# KiCad board plinkyblack_hwmidi.kicad_pcb (continued)
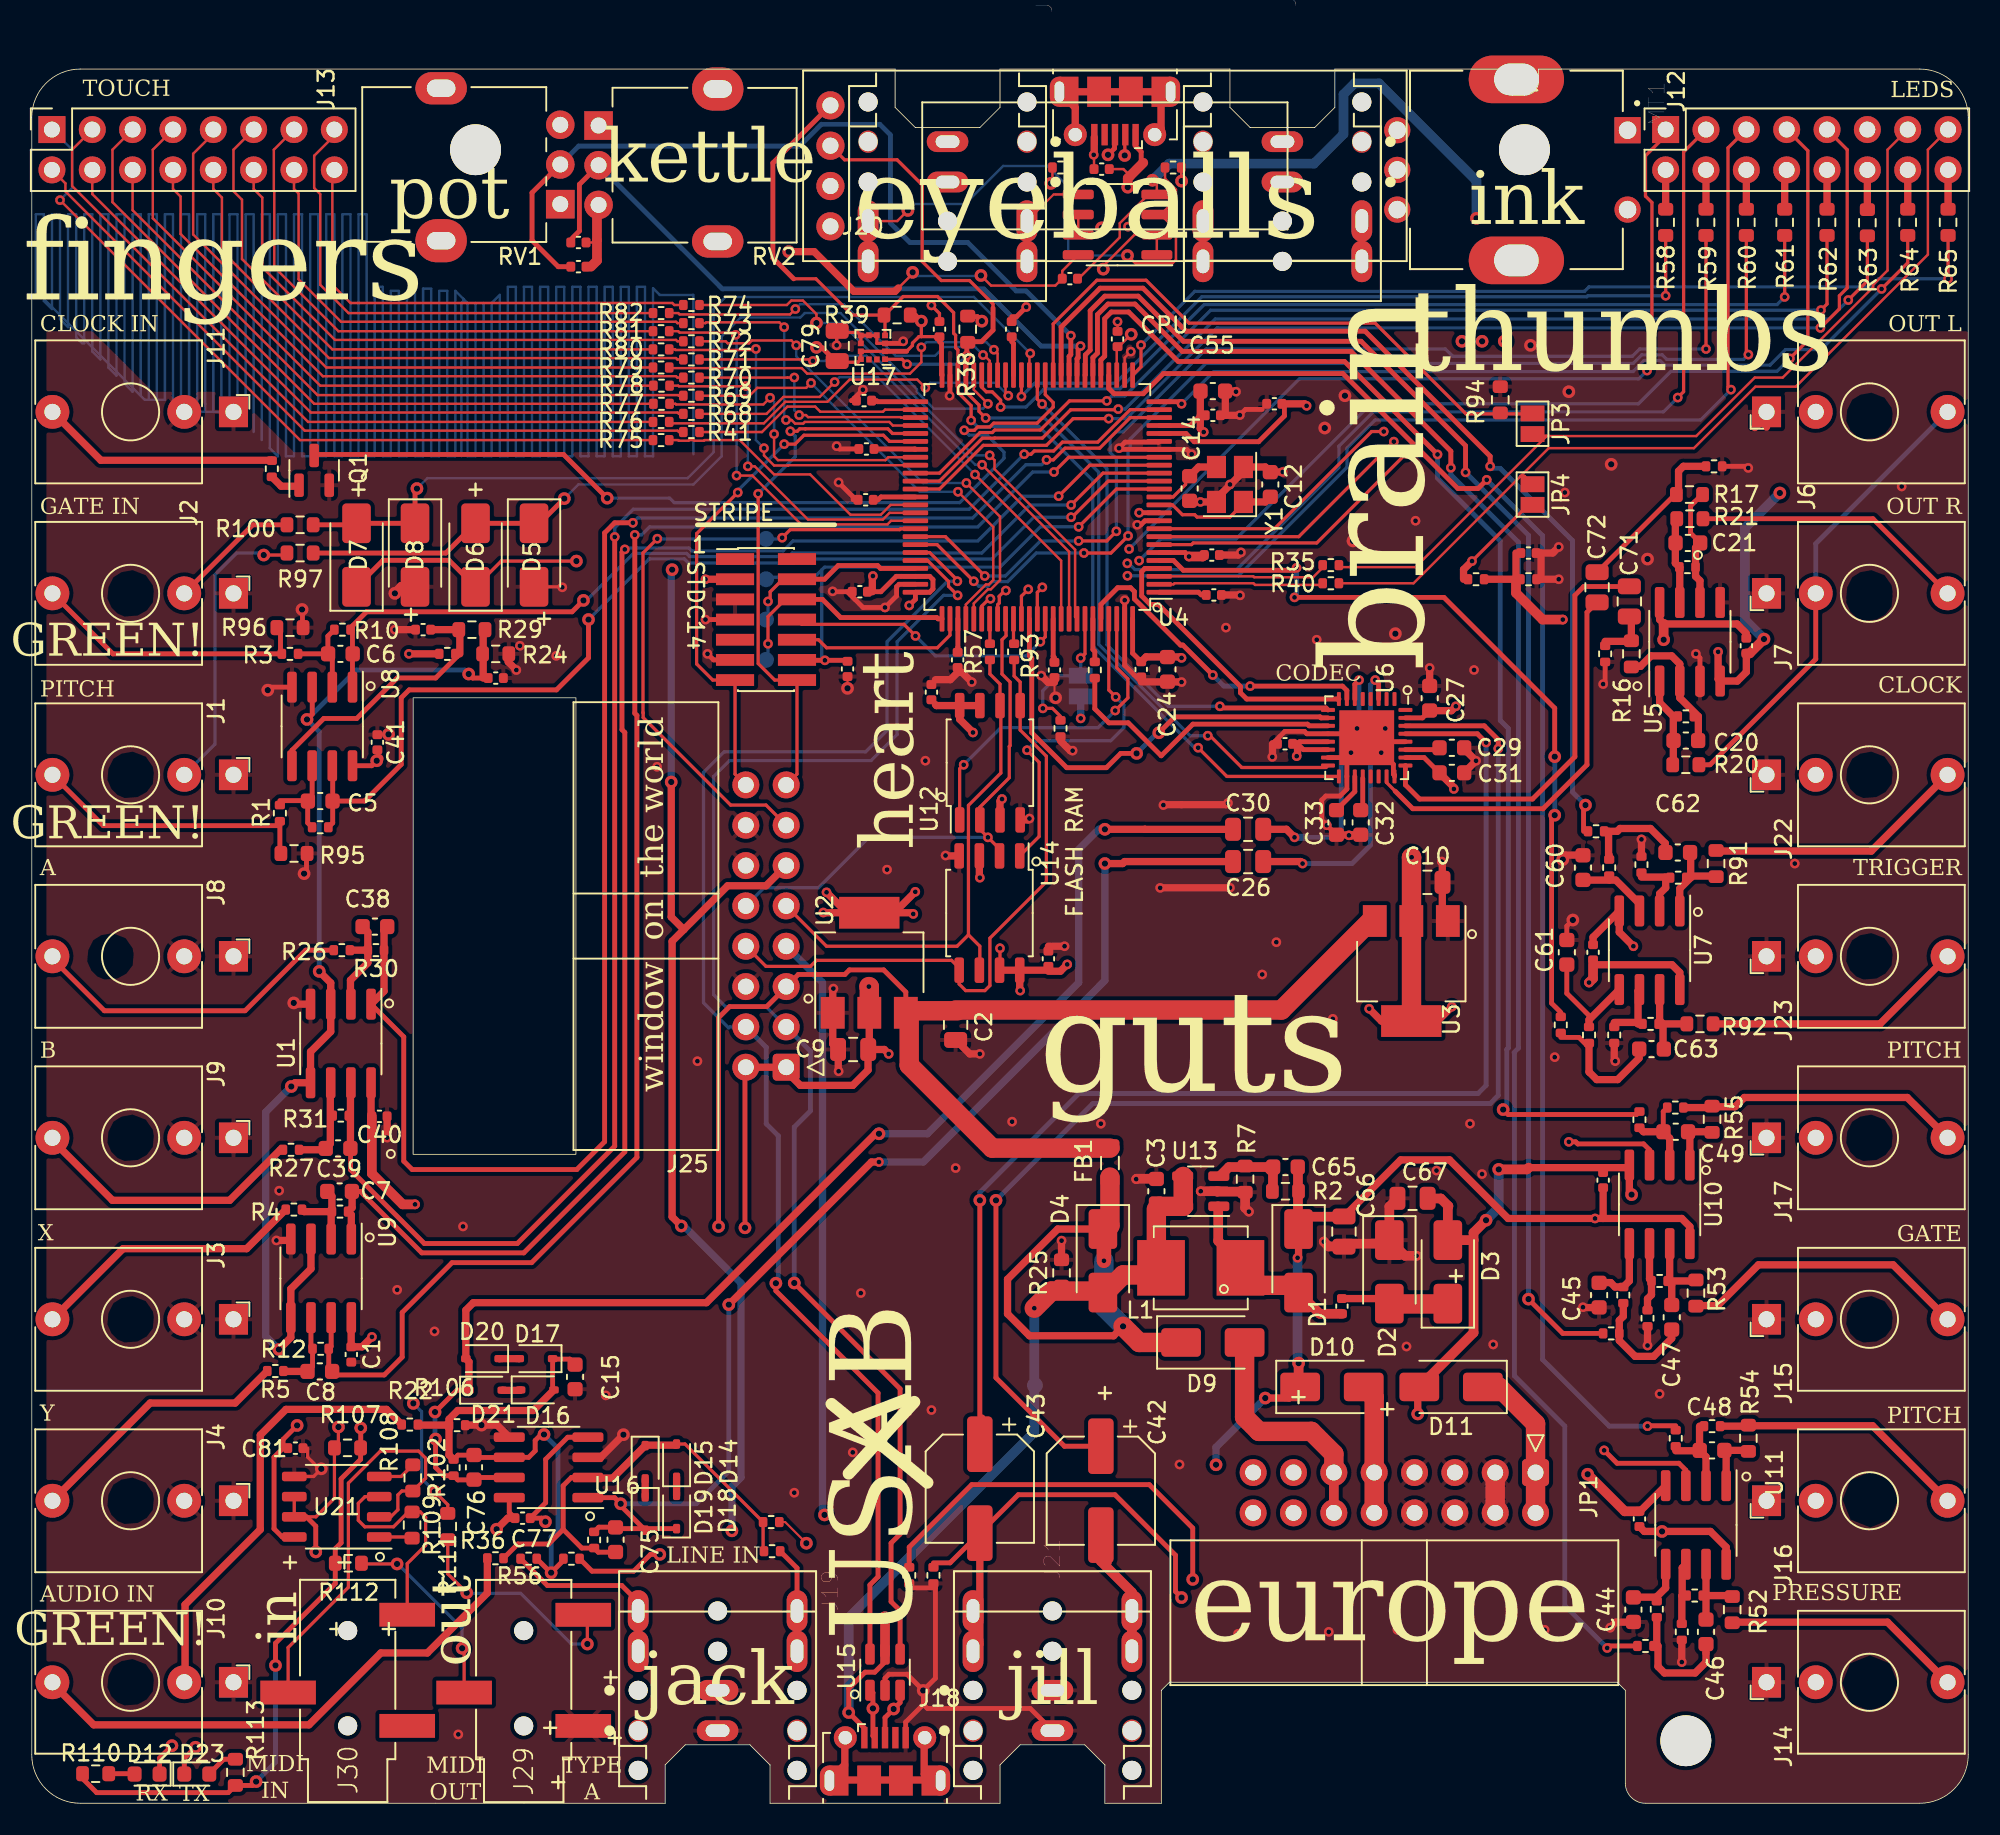
[diagram p0: board, top side]
## Library data of the parts
C1 C11 C16 C18 C19 C22 C23 C25 C28 C40 C41 C50 C51 C53 C64 C73 C74 C77 C78 = -: Description: Unpolarized capacitor; LCSC: C14663
C2 C9 C10 C26 C30 C66 C67 C71 C72 C79 = -: Description: Unpolarized capacitor; LCSC: C15850
C3 C24 C27 C29 C31-C33 = -: Description: Unpolarized capacitor; LCSC: C19666
C4 = -: Description: Unpolarized capacitor; LCSC: C15849
C5-C8 C38 C39 C44-C49 C60-C63 = -: Description: Unpolarized capacitor; LCSC: C53987
C12 C14 C15 C65 = -: Description: Unpolarized capacitor; LCSC: C1647
C17 C35-C37 C52 C56-C59 C68-C70 = -: Description: Unpolarized capacitor, small symbol; LCSC: C14663
C20 C21 C75 C76 = -: Description: Unpolarized capacitor; LCSC: C1603
C34 C54 = -: Description: Unpolarized capacitor, small symbol; LCSC: C15849
C42 C43 = -: LCSC: C250009
C55 = -: Description: Unpolarized capacitor, small symbol; LCSC: C57112
C81 = -: LCSC: C14663
D1-D11 = -: Description: Schottky diode; LCSC: C8678
D12 = -: Description: Light emitting diode; LCSC: C2286
D14-D21 = -: Description: 75V 0.15A Fast switching Diode, SOD-323; LCSC: C2128
D23 = -: Description: Light emitting diode; LCSC: C72041
FB1 = -: LCSC: C1017
H1 H2 H4 = -: Description: Mounting Hole without connection
J5 = -: Description: Generic connector, double row, 02x07, odd/even pin numbering scheme (row 1 odd numbers, row 2 even numbers), script generated (kicad-library-utils/schlib/autogen/connector/)
J12 J13 JP1 = -: Description: Generic connector, double row, 02x08, odd/even pin numbering scheme (row 1 odd numbers, row 2 even numbers), script generated (kicad-library-utils/schlib/autogen/connector/)
J18 J24 = -: LCSC: C136000
J19 J21 J26 J27 = -: Field4: CUI; Field5: Manufacturer recommendation
J29 J30 = -: LCSC: C18594
JP2-JP4 = -: Description: Solder Jumper, 2-pole, open
L1 = -: Description: Inductor; LCSC: C139506
MT1 = -: Field4: Manufacturer Recommendations; Field5: Rev. 09/19; Field6: J.W.Miller/Bourns
Q1 = -: Description: 0.2A Ic, 40V Vce, Small Signal NPN Transistor, SOT-23; LCSC: C20526
R1 R3-R5 R8 R22 R26 R27 R32 R33 R36 R103 R104 = -: Description: Resistor; LCSC: C25803
R2 R94-R96 = -: Description: Resistor; LCSC: C4172
R6 R13 R23 R28 R37 R43-R45 R47-R49 R56 R66 R67 R83 R84 R87-R90 R98 R99 R106 = -: Description: Resistor; LCSC: C25744
R7 R25 = -: Description: Resistor; LCSC: C25811
R9 R14 R15 R18 R19 R50 R51 = -: Description: Resistor; LCSC: C4216
R10-R12 R30 R31 R42 R46 R85 R86 = -: Description: Resistor; LCSC: C31850
R16 R17 = -: Description: Resistor; LCSC: C23189
R20 R21 R52-R55 R91 R92 = -: Description: Resistor; LCSC: C21190
R24 = -: Description: Resistor; LCSC: C25981
R29 R38 R39 R97 R100 = -: Description: Resistor; LCSC: C4190
R34 R35 R40 R41 R57 R68-R82 R93 = -: Description: Resistor; LCSC: C25076
R58-R65 = -: Description: Resistor; LCSC: C23182
R101 R102 = -: Description: Resistor; LCSC: C22790
R107 = -: LCSC: C23179
R108 R109 = -: LCSC: C22962
R110-R112 = -: LCSC: C23182
R113 = -: LCSC: C22810
T_JTCK1 T_JTMS1 T_NRST1 T_VBUS1 TPDEBUG1 = -: Description: test point
U1 U8 U9 = -: Description: 1MHz, Low-Power Op Amp, SOIC-8; LCSC: C7377
U2 U3 = -: LCSC: C6186
U4 = -: LCSC: C165886
U5 U7 U10 U11 U16 U18 = -: Description: Dual Low-Noise JFET-Input Operational Amplifiers, DIP-8/SOIC-8; LCSC: C6961
U6 = -: LCSC: C323840
U12 U14 = -: LCSC: C97521
U13 = -: Description: Synchronous Boost Regulator, Adjustable Output up to 28V, 400 mA Switch Current Limit, SOT-23-5; LCSC: C7722
U15 = -: Description: Very low capacitance ESD protection diode, 2 data-line, SOT-23-6; LCSC: C7519
U17 = -: LCSC: C110926
U21 = -: LCSC: C43949
Y1 = -: Description: Four pin crystal, GND on pins 2 and 4; LCSC: C13738

## Footprints (pads in the part's own frame, mm; a bottom-side part is the same pattern mirrored in y, then rotated)
C_0402_1005Metric
  rrect 0.56x0.62 smd: 1(-0.48,0) 2(0.48,0)
C_0603_1608Metric
  rrect 0.9x0.95 smd: 1(-0.775,0) 2(0.775,0)
C_0805_2012Metric
  rrect 1x1.45 smd: 1(-0.95,0) 2(0.95,0)
CP_Elec_6.3x5.9
  rrect 3.5x1.6 smd: 1(-2.8,0) 2(2.8,0)
Crystal_SMD_Abracon_ABM8G-4Pin_3.2x2.5mm
  rect 1.4x1.2 smd: 1(-1.1,-0.85) 2(1.1,-0.85) 3(1.1,0.85) 4(-1.1,0.85)
CUI_SJ1-3523N_double
  round 1.2 hole 1.2 unplated: (-5.04,5) (-5.04,-5) (0,5) (0,-5) (2.46,0) (5,0)
  oval 1.397x1.2 hole 1.2 unplated: (-2.54,5) (-2.54,-5)
  oval 1.308x2.616 hole 0.8x1.5: 1(-2.54,0) 1(0,0)
  oval 2.616x1.308 hole 1.5x0.8: 2(2.46,-5) 2(5,-5) 3(2.46,5) 3(5,5)
D_SMA
  rrect 2.5x1.8 smd: 1(-2,0) 2(2,0)
D_SOD-323
  rrect 0.6x0.45 smd: 1(-1.05,0) 2(1.05,0)
IDC-Header_2x08_P2.54mm_Horizontal
  rrect 1.7x1.7 hole 1: 1(0,0)
  round 1.7 hole 1: 2(2.54,0) 3(0,-2.54) 4(2.54,-2.54) 5(0,-5.08) 6(2.54,-5.08) 7(0,-7.62) 8(2.54,-7.62) 9(0,-10.16) 10(2.54,-10.16) 11(0,-12.7) 12(2.54,-12.7) 13(0,-15.24) 14(2.54,-15.24) 15(0,-17.78) 16(2.54,-17.78)
L_0805_2012Metric
  rrect 0.875x1.2 smd: 1(-1.062,0) 2(1.062,0)
L_Murata_LQH55DN_5.7x5.0mm
  rect 3x3.5 smd: 1(-2.5,0) 2(2.5,0)
LED_0603_1608Metric
  rrect 0.875x0.95 smd: 1(-0.787,0) 2(0.787,0)
LGA-12_2x2mm_P0.5mm
  rect 0.375x0.35 smd: 1(-0.762,0.75) 2(-0.762,0.25) 3(-0.762,-0.25) 4(-0.762,-0.75) 7(0.762,-0.75) 8(0.762,-0.25) 9(0.762,0.25) 10(0.762,0.75)
  rect 0.35x0.375 smd: 5(-0.25,-0.762) 6(0.25,-0.762) 11(0.25,0.762) 12(-0.25,0.762)
LQFP-100_14x14mm_P0.5mm
  rrect 1.6x0.3 smd: 1(-7.675,6) 2(-7.675,5.5) 3(-7.675,5) 4(-7.675,4.5) 5(-7.675,4) 6(-7.675,3.5) 7(-7.675,3) 8(-7.675,2.5) 9(-7.675,2) 10(-7.675,1.5) 11(-7.675,1) 12(-7.675,0.5) 13(-7.675,0) 14(-7.675,-0.5) 15(-7.675,-1) 16(-7.675,-1.5) 17(-7.675,-2) 18(-7.675,-2.5) 19(-7.675,-3) 20(-7.675,-3.5) 21(-7.675,-4) 22(-7.675,-4.5) 23(-7.675,-5) 24(-7.675,-5.5) 25(-7.675,-6) 51(7.675,-6) 52(7.675,-5.5) 53(7.675,-5) 54(7.675,-4.5) 55(7.675,-4) 56(7.675,-3.5) 57(7.675,-3) 58(7.675,-2.5) 59(7.675,-2) 60(7.675,-1.5) 61(7.675,-1) 62(7.675,-0.5) 63(7.675,0) 64(7.675,0.5) 65(7.675,1) 66(7.675,1.5) 67(7.675,2) 68(7.675,2.5) 69(7.675,3) 70(7.675,3.5) 71(7.675,4) 72(7.675,4.5) 73(7.675,5) 74(7.675,5.5) 75(7.675,6)
  rrect 0.3x1.6 smd: 26(-6,-7.675) 27(-5.5,-7.675) 28(-5,-7.675) 29(-4.5,-7.675) 30(-4,-7.675) 31(-3.5,-7.675) 32(-3,-7.675) 33(-2.5,-7.675) 34(-2,-7.675) 35(-1.5,-7.675) 36(-1,-7.675) 37(-0.5,-7.675) 38(0,-7.675) 39(0.5,-7.675) 40(1,-7.675) 41(1.5,-7.675) 42(2,-7.675) 43(2.5,-7.675) 44(3,-7.675) 45(3.5,-7.675) 46(4,-7.675) 47(4.5,-7.675) 48(5,-7.675) 49(5.5,-7.675) 50(6,-7.675) 76(6,7.675) 77(5.5,7.675) 78(5,7.675) 79(4.5,7.675) 80(4,7.675) 81(3.5,7.675) 82(3,7.675) 83(2.5,7.675) 84(2,7.675) 85(1.5,7.675) 86(1,7.675) 87(0.5,7.675) 88(0,7.675) 89(-0.5,7.675) 90(-1,7.675) 91(-1.5,7.675) 92(-2,7.675) 93(-2.5,7.675) 94(-3,7.675) 95(-3.5,7.675) 96(-4,7.675) 97(-4.5,7.675) 98(-5,7.675) 99(-5.5,7.675) 100(-6,7.675)
LUOYANG-DISHANG_PJ-320B
  round 1.2 hole 1.2 unplated: (0,0) (6,0)
  rect 1.5x3.5 smd: 2(7,-3.75) 3(2.1,3.75) 4(0,-3.75)
MountingHole_3.2mm_M3
  round 3.2 hole 3.2 unplated: (0,0)
oled091
  round 1.778 hole 1.016: 1(-17.28,3.81) 2(-17.28,1.27) 3(-17.28,-1.27) 4(-17.28,-3.81)
pec11r_encoder
  rect 1.65x1.65 hole 1.1: 1(-2.5,7)
  round 1.65 hole 1.1: 2(2.5,7) A(-2.5,-7.5) B(2.5,-7.5) COM(0,-7.5)
  oval 3x6 hole 2x2.8: S1(-5.7,0) S2(5.7,0)
PinHeader_2x07_P1.27mm_Vertical_SMD
  rect 2.4x0.74 smd: 1(-1.95,3.81) 2(1.95,3.81) 3(-1.95,2.54) 4(1.95,2.54) 5(-1.95,1.27) 6(1.95,1.27) 7(-1.95,0) 8(1.95,0) 9(-1.95,-1.27) 10(1.95,-1.27) 11(-1.95,-2.54) 12(1.95,-2.54) 13(-1.95,-3.81) 14(1.95,-3.81)
PinSocket_2x08_P2.54mm_Vertical
  rect 1.7x1.7 hole 1: 1(0,0)
  oval 1.7x1.7 hole 1: 2(-2.54,0) 3(0,-2.54) 4(-2.54,-2.54) 5(0,-5.08) 6(-2.54,-5.08) 7(0,-7.62) 8(-2.54,-7.62) 9(0,-10.16) 10(-2.54,-10.16) 11(0,-12.7) 12(-2.54,-12.7) 13(0,-15.24) 14(-2.54,-15.24) 15(0,-17.78) 16(-2.54,-17.78)
pot3d
  oval 3.24x2.72 hole 1.8x1.1: (7.5,2.3)
  oval 3.24x2.032 hole 1.8x1.1: (7.5,-7.3)
  rect 1.8x1.8 hole 1: 1(0,0)
  round 1.8 hole 1: 2(0,-2.5) 3(0,-5)
QFN-32-1EP_5x5mm_P0.5mm_EP3.45x3.45mm
  rrect 0.93x0.93 smd: (-1.15,1.15) (-1.15,0) (-1.15,-1.15) (0,1.15) (0,0) (0,-1.15) (1.15,1.15) (1.15,0) (1.15,-1.15)
  rrect 0.875x0.25 smd: 1(-2.438,1.75) 2(-2.438,1.25) 3(-2.438,0.75) 4(-2.438,0.25) 5(-2.438,-0.25) 6(-2.438,-0.75) 7(-2.438,-1.25) 8(-2.438,-1.75) 17(2.438,-1.75) 18(2.438,-1.25) 19(2.438,-0.75) 20(2.438,-0.25) 21(2.438,0.25) 22(2.438,0.75) 23(2.438,1.25) 24(2.438,1.75)
  rrect 0.25x0.875 smd: 9(-1.75,-2.438) 10(-1.25,-2.438) 11(-0.75,-2.438) 12(-0.25,-2.438) 13(0.25,-2.438) 14(0.75,-2.438) 15(1.25,-2.438) 16(1.75,-2.438) 25(1.75,2.438) 26(1.25,2.438) 27(0.75,2.438) 28(0.25,2.438) 29(-0.25,2.438) 30(-0.75,2.438) 31(-1.25,2.438) 32(-1.75,2.438)
  rect 3.45x3.45 smd: 33(0,0)
R_0402_1005Metric
  rrect 0.54x0.64 smd: 1(-0.51,0) 2(0.51,0)
R_0603_1608Metric
  rrect 0.8x0.95 smd: 1(-0.825,0) 2(0.825,0)
SOIC-8_3.9x4.9mm_P1.27mm
  rrect 1.95x0.6 smd: 1(-2.475,1.905) 2(-2.475,0.635) 3(-2.475,-0.635) 4(-2.475,-1.905) 5(2.475,-1.905) 6(2.475,-0.635) 7(2.475,0.635) 8(2.475,1.905)
SOIC-8_5.23x5.23mm_P1.27mm
  rrect 1.6x0.6 smd: 1(-3.6,1.905) 2(-3.6,0.635) 3(-3.6,-0.635) 4(-3.6,-1.905) 5(3.6,-1.905) 6(3.6,-0.635) 7(3.6,0.635) 8(3.6,1.905)
SolderJumper-2_P1.3mm_Open_Pad1.0x1.5mm
  rect 1x1.5 smd: 1(-0.65,0) 2(0.65,0)
SOT-23
  rrect 1.475x0.6 smd: 1(-0.938,0.95) 2(-0.938,-0.95) 3(0.938,0)
SOT-23-5
  rrect 1.325x0.6 smd: 1(-1.137,0.95) 2(-1.137,0) 3(-1.137,-0.95) 4(1.137,-0.95) 5(1.137,0.95)
SOT-23-6
  rrect 1.325x0.6 smd: 1(-1.137,0.95) 2(-1.137,0) 3(-1.137,-0.95) 4(1.137,-0.95) 5(1.137,0) 6(1.137,0.95)
SOT-223-3_TabPin2
  rect 2x1.5 smd: 1(-3.15,2.3) 2(-3.15,0) 3(-3.15,-2.3)
  rect 2x3.8 smd: 2(3.15,0)
SSOP-8_3.9x5.05mm_P1.27mm
  rrect 1.55x0.6 smd: 1(-2.675,1.905) 2(-2.675,0.635) 3(-2.675,-0.635) 4(-2.675,-1.905) 5(2.675,-1.905) 6(2.675,-0.635) 7(2.675,0.635) 8(2.675,1.905)
TestPoint_Pad_D1.0mm
  round 1 smd: 1(0,0)
thonk_with_3d
  rect 1.93x1.83 hole 1.016: S(0,0)
  round 2.13 hole 1.016: T(0,-11.4) TN(0,-3.1)
USB_Micro-B_Molex-105017-0001_with_3d
  rect 0.4x1.35 smd: 1(-1.3,1.462) 2(-0.65,1.462) 3(0,1.462) 4(0.65,1.462) 5(1.3,1.462)
  oval 1.2x1.9 hole 0.6x1.3: 6(-3.5,-1.238) 6(3.5,-1.238)
  rect 1.2x1.9 smd: 6(-2.9,-1.238) 6(2.9,-1.238)
  round 1.45 hole 0.85: 6(-2.5,1.462) 6(2.5,1.462)
  rect 1.5x1.9 smd: 6(-1,-1.238) 6(1,-1.238)

## Nets
+3V3: C9.1 C16.1 C18.1 C19.1 C22.1 C23.1 C24.1 C28.2 C53.1 C73.1 C79.1 D5.1 D7.1 J5.3 J20.3 J25.1 J25.2 JP2.1 R38.1 R39.1 R107.2 R110.2 R112.2 R113.2 U2.2 U4.6 U4.11 U4.28 U4.50 U4.73 U4.75 U4.100 U6.13 U6.14 U12.3 U12.7 U12.8 U14.3 U14.7 U14.8 U17.2 U17.9 U17.10
+5V: C2.1 C81.2 FB1.1 J25.5 U2.3 U3.3 U21.8
+12V: C25.2 C50.2 C51.2 C64.2 C65.2 C66.1 C77.2 C78.2 D1.1 D10.1 J25.11 R2.1 U5.8 U7.8 U10.8 U11.8 U16.8 U18.8
-12V: C25.1 C50.1 C51.1 C64.1 C67.1 C77.1 C78.1 D3.2 D11.2 J25.7 U5.4 U7.4 U10.4 U11.4 U16.4 U18.4
GND: C1.1 C2.2 C3.2 C9.2 C10.2 C11.2 C12.2 C14.2 C15.1 C16.2 C17.1 C18.2 C19.2 C22.2 C23.2 C24.2 C27.2 C28.1 C29.2 C31.1 C32.2 C33.2 C34.1 C35.1 C36.1 C37.1 C40.1 C41.1 C44.1 C45.1 C52.1 C53.2 C54.2 C55.2 C56.1 C57.1 C58.1 C59.1 C60.1 C61.1 C66.2 C67.2 C68.2 C69.1 C70.2 C73.2 C74.1 C79.2 C81.1 D2.1 D6.2 D8.2 J1.S J2.S J3.S J3.TN J4.S J4.TN J5.5 J5.7 J5.11 J6.S J7.S J8.S J8.TN J9.S J9.TN J10.S J11.S J11.TN J12.11 J14.S J15.S J16.S J17.S J18.5 J19.1 J20.4 J21.1 J22.S J23.S J24.5 J25.6 J25.12 J25.14 J26.1 J27.1 J29.4 JP1.3 JP1.4 JP1.5 JP1.6 JP1.7 JP1.8 MT1.1 MT1.COM Q1.2 R7.2 R13.2 R14.2 R15.2 R24.1 R25.2 R32.2 R33.2 R66.1 R67.1 R87.1 R88.1 R94.1 R95.2 R96.2 R99.1 R103.2 R104.2 R106.1 RV1.3 RV2.3 U1.4 U2.1 U3.1 U4.10 U4.19 U4.20 U4.27 U4.49 U4.74 U4.99 U5.3 U5.5 U6.12 U6.15 U6.18 U6.24 U6.28 U6.33 U8.4 U9.4 U12.4 U13.2 U14.4 U15.2 U16.3 U16.5 U17.3 U17.5 U17.6 U17.7 U17.8 U21.5 Y1.2 Y1.4
VBUS: C3.1 C74.2 D4.2 J18.1 J24.1 L1.1 R25.1 T_VBUS1.1 U13.4 U13.5 U15.5
VDDA: C1.2 C10.1 C27.1 C31.2 C40.2 C41.2 C54.1 C55.1 U1.8 U3.2 U4.22 U6.26 U6.31 U8.8 U9.8
/INPUT_L_SECONDARYIN: R6.2 U18.1 U18.2
/INPUT_R_SECONDARYIN: R23.2 U18.6 U18.7
/RING1_4: J29.3 R112.1
/TIP1_5: J29.2 R111.1
ADCDAT: U4.38 U6.9
AIN1: C5.1 R9.1 U4.15 U8.7
AIN2: C6.1 R10.1 U4.16 U8.1
AIN3: C7.1 R11.1 U4.17 U9.1
AIN4: C8.1 R12.1 U4.18 U9.7
AIN5: C38.1 R30.1 U1.1 U4.23
AIN6: C39.1 R31.1 U1.7 U4.24
AOUT1: R48.2 U4.29
AOUT2: R49.2 U4.30
AOUT3: R44.2 U4.31
AOUT4: R43.2 U4.32
AOUT5: R83.2 U4.35
AOUT6: R84.2 U4.5
CLKIN: Q1.3 U4.37
DACDAT: U4.87 U6.10
DEBUG: J25.13 TPDEBUG1.1 U4.67
DM: J25.4 U4.70 U15.6
DM_C: J18.2 J24.2 U15.1
DP: J25.3 U4.71 U15.4
DP_C: J18.3 J24.3 U15.3
FSCLK: U4.96 U6.7
HPL: C42.1 U6.30
HPR: C43.1 U6.29
IO1: MT1.2 U4.7
IO2: MT1.A U4.8
IO3: MT1.B U4.9
JTCK: J5.6 T_JTCK1.1 U4.76
JTDI: J5.10 U4.77
JTDO: J5.8 U4.89
JTMS: J5.4 T_JTMS1.1 U4.72
LINEINL: C26.1 U6.3
LINEINR: C30.1 U6.6
LINEOUTL: C71.2 U6.25
LINEOUTR: C72.2 U6.23
MCLK: R34.2 U6.11
MISO: J25.10 U4.84 U12.2 U14.2
MOSI: J25.8 R93.1 U12.5 U14.5
N1: J12.1 U4.83
N2: J12.3 U4.86
N3: J12.5 U4.88
N4: J12.7 U4.81
N5: J12.9 U4.62
NRST: C11.1 J5.12 T_NRST1.1 U4.14
P1: R58.1 U4.40
P2: R59.1 U4.68
P3: R60.1 U4.69
P4: R61.1 U4.45
P5: R62.1 U4.60
P6: R63.1 U4.61
P7: R64.1 U4.25
P8: R65.1 U4.26
POT1: C68.1 RV2.2 U4.33
POT2: C70.1 RV1.2 U4.34
RX: D12.1 J5.13 J25.16 R107.1 U4.56 U21.6 U21.7
SCL: J20.2 R38.2 U4.47 U6.16 U17.1
SCLK: U4.4 U6.8
SDA: J20.1 R39.2 U4.48 U6.17 U17.4
SENSE: D7.2 D8.1 R100.1 U4.39
SENSE2: D5.2 D6.1 R97.1 U4.46
SPICLK: J25.9 R57.1 U12.6 U14.6
SPICS: U4.98 U12.1
SPICS2: U4.97 U14.1
T1: R41.1 U4.52
T2: R68.1 U4.91
T3: R69.1 U4.79
T4: R70.1 U4.53
T5: R71.1 U4.92
T6: R72.1 U4.80
T7: R73.1 U4.54
T8: R74.1 U4.93
T9: R75.2 U4.64
T10: R76.2 U4.42
T11: R77.2 U4.58
T12: R78.2 U4.65
T13: R79.2 U4.43
T14: R80.2 U4.59
T15: R81.2 U4.66
T16: R82.2 U4.44
TS1: R40.2 U4.2
TS1_: J12.15 JP4.1 R40.1
TS2: R35.2 U4.3
TS2_: J12.13 JP3.2 R35.1
TX: D23.1 J5.14 J25.15 R111.2 U4.55
VREF: C34.2 JP4.2 R28.2 R98.2 RV1.1 RV2.1 U4.21
VREF1: C17.2 R24.2 R29.1 U1.3 U1.5 U8.3 U9.3 U9.5
VREF125: C35.2 R28.1 R29.2 U8.5
VREF_125_OUT: C69.2 R98.1 R99.2 U10.3 U11.3
Net-(C20-Pad1): C20.1 R18.1 R20.2 U5.1
Net-(C21-Pad1): C21.1 R19.1 R21.2 U5.7
Net-(C42-Pad2): C42.2 J21.2 J27.2 R33.1
Net-(C43-Pad2): C43.2 J21.3 J27.3 R32.1
Net-(C46-Pad1): C46.1 R42.2 R44.1
Net-(C46-Pad2): C46.2 R45.2 R52.2 U11.7
Net-(C47-Pad1): C47.1 R43.1 R46.2
Net-(C47-Pad2): C47.2 R47.2 R53.2 U10.7
Net-(C48-Pad1): C48.1 R54.2 U11.1
Net-(C49-Pad1): C49.1 R55.2 U10.1
Net-(C62-Pad1): C62.1 R83.1 R85.2
Net-(C62-Pad2): C62.2 R90.2 R91.2 U7.1
Net-(C63-Pad1): C63.1 R84.1 R86.2
Net-(C63-Pad2): C63.2 R89.2 R92.2 U7.7
Net-(C71-Pad1): C71.1 R14.1 R16.2
Net-(C72-Pad1): C72.1 R15.1 R17.2
Net-(D1-A): C4.2 D1.2 L1.2 U13.1
Net-(D2-A): C4.1 D2.2 D3.1
Net-(D4-K): D4.1 D9.1 FB1.2
Net-(D9-A): D9.2 JP1.11 JP1.12
Net-(D10-A): D10.2 JP1.9 JP1.10
Net-(D11-K): D11.1 JP1.1 JP1.2
Net-(D12-A): D12.2 R110.1
Net-(D14-A): C75.1 D14.2 D15.1 R6.1 R36.1 R37.1 R101.2 U16.2
Net-(D14-K): D14.1 D18.2
Net-(D15-A): D15.2 D19.1
Net-(D16-A): C15.2 C76.1 D16.2 D17.1 R22.1 R23.1 R56.1 R102.2 R106.2 U16.6
Net-(D16-K): D16.1 D20.2
Net-(D17-A): D17.2 D21.1
Net-(D18-K): C26.2 C75.2 D18.1 D19.2 R101.1 U16.1
Net-(D20-K): C30.2 C76.2 D20.1 D21.2 R102.1 U16.7
Net-(D23-A): D23.2 R113.1
Net-(J1-PadT): J1.T R1.2 R95.1
Net-(J1-PadTN): J1.TN R97.2
Net-(J2-PadT): J2.T R3.2 R96.1
Net-(J2-PadTN): J2.TN R100.2
Net-(J3-PadT): J3.T R4.2
Net-(J4-PadT): J4.T R5.2
Net-(J6-PadT): J6.T J7.TN R20.1
Net-(J7-PadT): J7.T R21.1
Net-(J8-PadT): J8.T R26.2
Net-(J9-PadT): J9.T R27.2
Net-(J10-PadT): J10.T R36.2
Net-(J10-PadTN): J10.TN R22.2
Net-(J11-PadT): J11.T R8.2
Net-(J12-Pin_2): J12.2 R58.2
Net-(J12-Pin_4): J12.4 R59.2
Net-(J12-Pin_6): J12.6 R60.2
Net-(J12-Pin_8): J12.8 R61.2
Net-(J12-Pin_10): J12.10 R62.2
Net-(J12-Pin_12): J12.12 R63.2
Net-(J12-Pin_14): J12.14 R64.2
Net-(J12-Pin_16): J12.16 R65.2
Net-(J13-Pin_1): J13.1 R75.1
Net-(J13-Pin_2): J13.2 R41.2
Net-(J13-Pin_3): J13.3 R76.1
Net-(J13-Pin_4): J13.4 R68.2
Net-(J13-Pin_5): J13.5 R77.1
Net-(J13-Pin_6): J13.6 R69.2
Net-(J13-Pin_7): J13.7 R78.1
Net-(J13-Pin_8): J13.8 R70.2
Net-(J13-Pin_9): J13.9 R79.1
Net-(J13-Pin_10): J13.10 R71.2
Net-(J13-Pin_11): J13.11 R80.1
Net-(J13-Pin_12): J13.12 R72.2
Net-(J13-Pin_13): J13.13 R81.1
Net-(J13-Pin_14): J13.14 R73.2
Net-(J13-Pin_15): J13.15 R82.1
Net-(J13-Pin_16): J13.16 R74.2
Net-(J14-PadT): J14.T R52.1
Net-(J15-PadT): J15.T R53.1
Net-(J16-PadT): J16.T R50.1 R54.1
Net-(J17-PadT): J17.T R51.1 R55.1
Net-(J19-Pad2): J19.2 R37.2
Net-(J19-Pad3): J19.3 R56.2
Net-(J22-PadT): J22.T R91.1
Net-(J23-PadT): J23.T R92.1
Net-(J30-RING): J30.3 R108.1 U21.2
Net-(J30-TIP): J30.2 R109.1 U21.3
Net-(JP2-B): JP2.2 R13.1 U4.94
Net-(JP3-A): JP3.1 R94.2 U4.36
Net-(Q1-B): Q1.1 R8.1
Net-(U1A--): C38.2 R26.1 R30.2 U1.2
Net-(U1B--): C39.2 R27.1 R31.2 U1.6
Net-(U4-PB4): C56.2 U4.90
Net-(U4-PB8): R34.1 U4.95
Net-(U4-PB12): C57.2 U4.51
Net-(U4-PC6): C58.2 U4.63
Net-(U4-PC10): C59.2 U4.78
Net-(U4-PD1): R57.2 U4.82
Net-(U4-PD4): R93.2 U4.85
Net-(U4-PD10): C52.2 U4.57
Net-(U4-PE2): C36.2 U4.1
Net-(U4-PE10): C37.2 U4.41
Net-(U4-PH0): C12.1 U4.12 Y1.1
Net-(U4-PH1): C14.1 U4.13 Y1.3
Net-(U5A--): C20.2 R16.1 R18.2 U5.2
Net-(U5B--): C21.2 R17.1 R19.2 U5.6
Net-(U6-HP_COM): C33.1 U6.19
Net-(U6-LINE_COM): C32.1 U6.20
Net-(U6-VMID): C29.1 U6.27
Net-(U7A-+): C60.2 R85.1 U7.3
Net-(U7A--): R87.2 R90.1 U7.2
Net-(U7B-+): C61.2 R86.1 U7.5
Net-(U7B--): R88.2 R89.1 U7.6
Net-(U8A--): C6.2 R3.1 R10.2 U8.2
Net-(U8B--): C5.2 R1.1 R9.2 U8.6
Net-(U9A--): C7.2 R4.1 R11.2 U9.2
Net-(U9B--): C8.2 R5.1 R12.2 U9.6
Net-(U10A--): C49.2 R49.1 R51.2 U10.2
Net-(U10B-+): C45.2 R46.1 U10.5
Net-(U10B--): R47.1 R67.2 U10.6
Net-(U11A--): C48.2 R48.1 R50.2 U11.2
Net-(U11B-+): C44.2 R42.1 U11.5
Net-(U11B--): R45.1 R66.2 U11.6
Net-(U13-FB): C65.1 R2.2 R7.1 U13.3
Net-(U18A-+): J26.2 R103.1 U18.3
Net-(U18B-+): J26.3 R104.1 U18.5
Net-(U21-ANODE_1): R109.2 U21.1
Net-(U21-ANODE_2): R108.2 U21.4

Pads without a net: J5 1 2 9; J6 TN; J14 TN; J15 TN; J16 TN; J17 TN; J18 4 6; J22 TN; J23 TN; J24 4 6; J30 4; JP1 13 14 15 16; MT1 S1 S2; U6 1 2 4 5 21 22 32; U17 11 12

## Via types
v1: diameter 0.61, hole 0.305, Top to Bottom, 283 vias
v2: diameter 0.8, hole 0.4, Top to Bottom, 121 vias

## Routing (per net, layer and track width the routed paths; a pad name or vN(x,y) marks a point on that pad's centre or on a via; arc(x,y) is an arc through that point)
+3V3: length 313.1
  Top w0.152: v2(69.22,92.52) 68.44,91.74 C19.1 68.31,91.69 U4.28
  Top w0.203: 55.08,91.44 55.45,91.81 55.45,91.96 55.86,92.37 56.01,92.37 ; 56.01,92.37 56.83,92.37 57.15,92.05 ; 56.01,92.37 v2(56.01,93.34) ; U17.2 U17.9 U17.10 52.01,90.76 50.67,90.76 ; v1(60.96,53.85) 60.96,52.32 ; v2(34.29,78.23) 29.56,78.23 D5.1
  Top w0.305: 57.15,92.05 57.28,91.92 57.28,89.98 U4.50 ; R110.2 3.2,1.56 4.09,0.67 12.37,0.67 R113.2 13.88,1.12 v2(14.13,1.36) ; C53.1 69.31,72.43 U4.100 ; D7.1 22.12,78.28 26.27,78.28 D5.1 ; U4.6 72.61,78.77 v1(72.86,78.52) 73.41,78.52 73.51,78.61 ; 50.67,90.76 49.74,91.69 v2(49.4,91.69) ; U6.13 79.82,66.86 79.69,66.73 80.06,66.36 U6.14 ; 55.08,91.44 U17.2 ; v2(56.01,93.34) 55.63,93.73 55.27,93.73 ; v2(20.71,23.64) 20.71,22.39 R107.2 20.71,21.66 19.47,20.43 19.47,16.4 19.11,16.03 R112.2 19.11,13.84 15.35,10.08 v2(15.35,8.68) ; 44.9,46.3 v2(44.9,36.24) ; v1(55.24,75.44) 55.63,75.83 U4.75 56.53,76.27 56.74,76.48 56.74,77.07 56.53,77.27 U4.73 54.43,77.27 53.46,76.3 52.92,76.3 ; 58.93,93.62 59.54,93.62 v2(59.82,93.34) ; v1(69.72,81.28) 70.98,81.28 U4.11
  Top w0.457: v1(50.04,57.37) 51.32,56.08 U2.2 ; J5.3 v1(42.42,77.09) ; 52.92,76.3 52.92,77.25 v1(52.96,77.29) ; v1(55.5,56.01) 55.42,56.08 U2.2 ; 47.37,46.23 48.39,45.21 51.69,45.21 52.65,46.17 52.65,47.47 ; 56.9,69.19 56.95,69.13 U12.8 58.42,68.28 v1(59.26,67.44) ; 52.65,47.47 52.73,47.55 U2.2 ; 52.65,47.47 53.67,47.47 v1(53.95,47.19) ; 64.01,52.45 63.99,52.47 U14.8 62.2,51.21 v1(62.23,51.18) ; v1(65.19,52.83) 64.76,52.4 64.01,52.4 ; 44.9,46.3 J25.2 J25.1 ; U12.3 60.96,63.12 v1(61.09,63.25) ; U2.2 49.85,56.08 v1(49.83,56.1) ; U2.2 54.31,56.08 v1(55.63,57.4) ; v1(72.39,72.14) 72.33,72.2 70.16,72.2 C53.1 ; 58.42,69.22 58.5,69.13 U12.7 ; U14.3 59.66,58.32 v1(59.69,58.29) ; v1(79.64,65.94) 79.69,66 79.69,66.73 ; U14.7 62.21,52.47
  Top w0.61: v1(72.86,78.52) 73.72,78.52 73.82,78.61
  Top w1.219: U2.2 52.73,51.41 v1(52.7,51.44)
  In2.Cu w0.203: v1(42.42,77.09) 42.35,77.02 35.5,77.02 v2(34.29,78.23)
  In2.Cu w0.305: v2(20.71,23.64) 20.71,23.7 24.29,27.28 24.29,30.99 26.34,33.04 41.7,33.04 v2(44.9,36.24)
  In2.Cu w0.61: 56.9,81.28 52.96,77.34 v1(52.96,77.29) 52.76,77.09 v1(42.42,77.09) ; 56.9,81.28 56.9,76.45 57.4,75.95 57.4,70.87 60.07,68.2 ; 56.9,81.28 61.29,81.28 63.1,83.08 66.09,83.08 67.01,84 ; v1(72.86,78.52) 72.86,78.92 73.45,79.51 ; J20.3 48.64,100.21 48.64,97.66 52.96,93.34 v2(56.01,93.34) v2(59.82,93.34) 59.94,93.47 65.86,93.47 66.83,92.49 ; 67.01,84 66.68,84.33 66.68,91.34 66.83,91.5 66.83,92.49 ; 67.01,84 67.01,83.57 69.29,81.28 v1(69.72,81.28) 71.68,81.28 73.45,79.51 ; 73.45,79.51 74.14,78.82 74.78,78.82 79.64,73.95 v1(79.64,65.94) ; 60.07,68.2 65.91,68.2 v1(66.04,68.33) ; 60.07,68.2 59.31,67.44 v1(59.26,67.44) 55.63,63.8 v1(55.63,57.4) ; 66.83,92.49 67.73,92.49 67.76,92.52 v2(69.22,92.52)
  Bottom w0.305: v2(14.13,1.36) 15.35,2.58 v2(15.35,8.68)
  Bottom w0.457: v1(66.04,68.33) 66.04,69.6
+5V: length 120.4
  Top w0.305: v2(43.24,36.33) 43.24,49.48 43.94,50.17 46.27,50.17 47.5,51.4 J25.5 48.26,52.2 51.19,52.2 51.48,52.48 53.64,52.48 55.03,51.09 U2.3 ; U21.8 15.77,16.77 15.25,17.29 15.25,21.79 15.82,22.36 15.82,22.91 v2(16.71,23.8)
  Top w1.219: 58.29,49.91 55.16,49.91 U2.3 55.24,49.57 55.24,46.48 60.47,41.26 67.88,41.26 ; 84.58,55.63 84.35,55.63 78.68,49.96 58.17,49.96
  In2.Cu w0.305: v2(43.24,36.33) 43.24,35.41 41.48,33.65 25.9,33.65 23.64,31.39 23.64,29.46 17.98,23.8 v2(16.71,23.8)
+12V: length 302.1
  Top w0.152: v2(59.76,96.22) 60.4,95.58 64.44,95.58 C78.2 64.88,96.51 65.89,97.52 ; 54.56,95.43 55.46,96.33 v2(55.46,96.42)
  Top w0.305: C77.2 30.06,18.32 U16.8
  Top w0.457: U7.8 103.76,52.32 103.27,52.81 98.3,52.81 ; 98.93,38.46 98.93,36.83 ; 98.93,36.83 103.88,36.83 104.39,36.32 U10.8 ; 98.93,36.83 v1(98.43,36.83) 92.95,36.83 89.26,40.52 86.19,40.52 82.62,36.94 ; 107.95,73.69 107.36,74.27 102.77,74.27 102.49,74.55 U5.8 ; D10.1 79.16,25.52 v2(77.66,25.52) ; J25.11 46.23,57.78 43.81,57.78 41.05,55.03 ; U11.8 106.68,16.13 105.69,17.12 101.53,17.12 C50.2 ; 41.05,55.03 40.26,55.82 v2(40.26,64.32) ; 41.05,55.03 40.32,54.29 40.32,36.93 v2(40.89,36.36) ; 79.69,36.13 79.76,36.07 79.76,34.42 v1(79.69,34.35) ; v2(29.27,17.26) 29.96,17.96 C77.2 ; v2(47.66,97.72) 49.26,97.72 51.76,95.22 54.35,95.22 54.56,95.43
  Top w0.61: v2(102.74,73.28) 102.74,74.24 102.77,74.27 ; 79.72,40.07 79.72,36.16 79.69,36.13 80.51,36.94 82.62,36.94 ; 98.3,52.81 98.3,51.94 v1(98.04,51.69) ; v2(79.76,27.72) 79.76,26.32 D10.1
  In2.Cu w0.457: v2(47.66,97.72) 47.56,97.72 42.96,93.12 42.96,83.92 40.32,81.28 v2(40.32,77.69) ; v2(29.27,17.26) 29.76,16.76 43.69,16.76 v2(44.08,17.16) 44.23,17.31 49.27,17.31 49.46,17.12 70.26,17.12 74.46,21.32 v2(74.56,21.32)
  In2.Cu w0.61: v2(102.74,73.28) 102.74,71.5 98.68,67.44 98.68,52.32 v1(98.04,51.69) 98.04,37.21 v1(98.43,36.83) 100.82,34.44 100.82,18.94 v2(102.64,17.12)
  Bottom w0.152: v2(59.76,96.22) 59.72,96.18 55.7,96.18 v2(55.46,96.42)
  Bottom w0.457: v2(40.89,36.36) 41.05,36.36 44.66,32.75 44.66,20.53 44.08,19.95 v2(44.08,17.16) ; v2(74.56,21.32) 74.56,22.42 v2(77.66,25.52) ; v2(40.26,64.32) 40.26,77.63 v2(40.32,77.69)
  Bottom w0.61: v2(79.76,27.72) 79.69,27.79 v1(79.69,34.35)
-12V: length 281.6
  Top w0.13: C50.1 101.22,18.39
  Top w0.152: C78.1 65.9,96.02 68.5,98.62 68.5,99.51 70.31,101.33 70.84,101.33 70.84,101.95 v2(70.56,102.22)
  Top w0.305: U16.4 35.01,23.05 33.74,23.05 32.35,21.66 32.35,18.93 C77.1 32.11,17.96 v2(32.34,17.73)
  Top w0.457: 101.22,18.39 101.26,18.39 U11.4 ; 94.24,40.03 100.42,40.03 U10.4 100.58,38.47 v2(100.73,38.33) ; v1(106.17,72.52) 106.17,70.8 U5.4 107.38,70.68 107.95,71.25 107.95,72.11 ; v2(87.26,24.52) 87.26,26.12 D11.2 ; 98.3,54.38 98.3,54.55 U7.4 99.95,54.86 v1(100.84,53.98)
  Top w0.61: 90.78,35.47 90.78,29.64 D11.2 ; 90.78,35.47 90.78,35.94 v2(91.56,36.72) ; 90.78,35.47 D3.2 89.16,37.57 89.19,37.61 88.71,38.09 87.88,38.09 87.87,38.1 ; C51.1 108.16,72.42 v2(109.06,73.32) ; C50.1 100.29,18.39 v2(97.96,20.72) ; v2(92.36,39.92) 94.13,39.92 94.24,40.03
  In2.Cu w0.457: v2(32.34,17.73) 42.55,17.73 43,18.18 43.02,18.16 v2(49.91,18.16) 54.36,22.61 85.35,22.61 ; 85.35,22.61 87.26,22.61 v2(87.26,24.52) ; 85.35,22.61 95.36,22.61 97.25,20.72 v2(97.96,20.72)
  In2.Cu w0.61: v2(110.06,82.52) 110.26,82.72 110.26,82.97 104.83,88.4 104.82,88.4 97.06,96.16 97.06,98.22 95.96,99.32 91.46,99.32 v2(90.96,99.82) ; v2(100.73,38.33) 100.84,38.44 v1(100.84,53.98) 100.53,54.28 100.53,66.88 v1(106.17,72.52)
  Bottom w0.457: v2(49.91,18.16) 49.78,18.29 49.78,51.69 J25.7
  Bottom w0.61: v2(91.56,36.72) 92.36,37.52 v2(92.36,39.92) ; v2(109.06,73.32) 107.86,74.52 107.86,80.32 v2(110.06,82.52) ; v2(70.56,102.22) 71.6,103.26 80.72,103.26 82.59,105.13 82.59,107.63 83.28,108.32 84.82,108.32 90.96,102.18 v2(90.96,99.82)
GND: length 1154.4
  Top w0.13: C11.2 v2(51.36,70.22) ; v2(22.46,67.32) 22.44,67.3 C41.1 ; C56.1 64.39,69.69 v2(64.46,69.62)
  Top w0.152: v2(64.16,102.02) 64.26,102.12 R104.2 ; v1(66.86,103.82) 66.88,103.8 C74.1 ; R103.2 72.37,102.19 v2(72.39,102.17) ; C19.2 v1(68.36,93.31) ; v1(69.19,91.43) 68.81,91.04 U4.27 ; 35.2,98.3 35.43,98.3 35.59,98.45
  Top w0.203: U21.5 17.75,20.58 v2(18.23,21.06) 18.11,21.06 17.37,21.8 17.37,22.36 ; U17.7 52.01,92.63 50.67,92.63 v1(50.67,91.82) ; U17.7 53.2,92.44 U17.5 53.21,91.95 53.22,91.94 U17.3 ; U17.7 U17.8 ; 57.15,93.62 57.15,93.83 v1(56.64,94.34) ; D6.2 33.37,76.61 v1(33.4,76.58)
  Top w0.305: v2(56.13,7.1) 56.13,7.09 56.13,6.22 ; v2(56.13,7.1) 56.9,7.87 56.9,13.56 55.24,13.56 ; v2(56.13,7.1) 55.1,8.13 53.98,8.13 53.72,7.87 53.72,7.16 ; 106.71,84.2 107.97,84.2 v1(108.07,84.1) ; v1(76.06,87.43) 76.42,87.78 77.47,87.78 ; U6.33 84.3,66.86 U6.28 ; U6.33 83.8,67.36 U6.12 80.28,67.36 80.13,67.51 78.9,67.51 78.12,66.73 ; U6.33 85.73,65.43 85.73,64.81 85.8,64.74 U6.24 ; U6.33 82.8,65.86 ; 72.9,82.02 73.52,82.02 v1(73.58,81.96) ; J5.7 v1(42.42,74.55) ; v1(69.6,80.52) 69.83,80.52 70.08,80.77 U4.10 ; v1(98.93,70.48) 99.06,70.61 99.06,71.6 ; 82.8,65.86 U6.18 82.8,63.88 82.36,63.44 81.47,63.44 81.22,63.18 81.22,61.91 v1(81.53,61.59) 82.14,60.99 ; 82.8,65.86 U6.15 ; 56.13,6.22 56.39,5.97 62.87,5.97 J21.1 ; 56.13,6.22 55.02,5.11 J18.5 ; 51.71,82.09 51.71,82.27 v1(50.8,83.19) ; U4.74 54.61,76.77 54.45,76.61 54.45,76.04 v1(53.72,75.31) 52.34,75.31 51.35,76.3 50.44,76.3 v1(50.42,76.33) ; 96.55,59.72 96.55,59.59 v2(96.39,59.44) ; v2(14.86,70.1) 15.05,70.29 16.38,70.29 ; U17.3 54.73,91.94 v1(54.86,92.08) ; 17.3,59.82 17.3,58.7 v2(17.14,58.55) ; v1(73.03,84.96) 72.72,85.27 U4.19 68.53,85.27 v1(68.45,85.34) 68.83,85.72 70.94,85.72 U4.20 ; 69.85,70.62 68.81,71.67 U4.99 68.81,75.76 v1(68.81,75.77) ; v1(104.78,72.39) 105.03,72.14 U5.3 ; v2(17.02,75.18) 17.04,75.16 17.04,74.04 ; 51.77,85.29 50.85,85.29 v1(50.67,85.47) ; v2(97.03,55.63) 96.65,55.25 96.65,54.38 ; 61.7,93.62 62,93.62 v1(62.61,94.23) ; v1(57.79,88.65) 57.81,88.67 U4.49 ; v1(42.54,72.39) 42.93,72.01 J5.11 ; 51.61,88.34 51.64,88.34 v1(52.32,89.03)
  Top w0.457: v1(73.58,81.96) Y1.4 74.59,82.17 76.29,83.87 Y1.2 77.67,84.16 77.98,83.85 v1(78.77,83.85) ; 64.01,53.98 v1(65.02,53.98) ; v1(50.8,46.1) 50.78,46.12 50.78,47.47 50.43,47.82 U2.1 50.43,51.27 v1(50.47,51.31) ; v1(75.82,88.9) 75.78,88.94 75.15,88.94 75.15,87.41 76.05,87.41 v1(76.06,87.43) ; v1(75.31,62.99) 75.21,62.89 71.27,62.89 v1(71.25,62.87) ; 105.03,69.88 U5.3 ; 69.85,70.62 72.38,70.62 v1(72.39,70.61) ; v2(16.5,50.4) 16.57,50.33 U1.4 ; v1(22.37,41.92) C40.1 ; 64.39,70.59 63.99,70.59 v1(63.56,71.02) ; 23.85,73.91 v1(22.86,73.91) ; v1(78.11,65.9) 78.12,65.91 78.12,66.73 ; 82.14,60.99 83.02,60.99 83.09,60.92 83.09,60.98 83.09,60.99 83.67,60.99 ; v1(88.01,71.5) 88.01,70.38 88.04,70.41 ; v1(99.38,11.05) 99.73,11.4 100.84,11.4 ; 98.68,31.22 97.69,31.22 v1(97.66,31.24) ; v1(99.7,46.74) 99.63,46.8 99.63,47.6 ; 108.48,86.64 109.22,87.38 109.22,86.68 ; 75.08,78.61 75.96,78.61 v1(76.13,78.78) ; v2(37.25,23.21) 35.82,21.79 U16.3 ; v1(59.69,47.19) 59.06,47.19 58.17,48.08 ; 75.21,76.1 76.05,76.1 v1(76.07,76.07) ; v1(15.4,35.45) 16.22,35.45 U9.4 ; 56.9,70.76 57.84,70.76 58.29,71.22 58.57,71.22 v1(59.18,70.61) 59.16,70.59 ; 64.84,34.19 v1(64.84,35.43) ; 101.35,59.91 v1(101.35,60.71) ; v1(66.86,103.82) 66.89,103.85 66.89,104.92 ; v1(57.53,59.69) 57.55,59.67 U14.4 ; R67.1 v1(101.73,28.83) ; R106.1 27.3,23.81 v2(28.31,23.81) 29.3,23.81 U16.5 ; 90.2,64.9 90.2,64.92 v1(90.93,65.65) 90.2,66.39 90.2,66.47 ; v1(71.04,57.65) 71.05,57.66 v1(75.44,57.66) ; 97.66,59.72 96.55,59.72 96.52,59.69 ; 30,72.39 30,71.88 v1(30.51,71.37) ; v1(96.14,79.12) 95.76,78.74 95.02,78.74 95.02,77.09 v1(96.14,77.09) ; v1(88.77,59.31) 88.81,59.27 88.81,55.91 U3.1 ; v1(65.53,66.29) 65.38,66.29 64.77,66.9 ; 58.32,59.79 58.42,59.69 ; 103.89,10.01 v1(103.89,8.89) ; v1(62.81,62.02) 62.73,61.93 U12.4
  Top w0.61: v1(76.63,37.26) 76.39,37.5 76.39,38.55 ; 82.62,35.07 81.65,35.07 v1(81.34,35.37) ; D2.1 85.47,37.58 86,38.1 ; D2.1 85.25,35.24 82.62,35.24 ; D2.1 86.46,34.48 v1(87.19,34.48) ; 35.2,96.77 35.59,97.16 35.59,100.56 RV2.3 ; v2(22.86,76.2) 23.27,76.61 D8.2 ; 74.7,38.55 v1(73.6,38.55) ; 74.61,38.55 74.64,38.52 76.39,38.52 ; v1(69.53,39.31) 69.56,39.33 70.8,39.33
  Top w1.219: JP1.4 JP1.3
  In1.Cu w0.305: v1(69.6,80.52) 68.71,81.41 68.33,81.41
  Bottom w0.152: J11.TN 10.92,87.63 ; 10.92,87.63 10.92,100.08 10.41,100.08 10.41,88.27 ; 10.92,87.63 J11.S ; 27.18,94.74 27.43,94.49 27.43,84.84 27.94,84.84 27.94,94.49 28.45,94.49 28.45,84.84 28.96,84.84 28.96,94.49 29.46,95 29.46,84.84 29.97,84.84 29.97,95.5 30.48,95.5 30.48,84.84 30.99,84.84 30.99,95.5 31.5,95.5 31.5,84.84 32,84.84 32,95.5 32.51,95.5 32.51,84.84 33.02,84.84 33.02,95.5 33.53,95.5 33.53,84.84 34.04,84.84 34.04,95.5 34.54,95.5 34.54,84.84 35.05,84.84 35.05,95.5 35.56,95.5 35.56,84.84 36.07,84.84 36.07,95.5 36.58,95.5 36.58,84.84 37.08,84.84 37.08,95.5 37.59,95.5 37.59,84.84 38.1,84.84 38.1,95.5 38.61,95.5 38.61,84.84 39.12,84.84 39.12,95.41 39.53,95 41.66,95 41.66,84.96 ; 27.18,94.74 27.18,94.62 27.05,94.49 27.05,84.84 ; 27.18,94.74 26.67,95.25 26.67,84.84 26.16,84.84 26.16,95.25 25.65,95.25 25.65,84.84 25.15,84.84 25.15,95.39 24.64,95.39 24.64,84.84 24.13,84.84 24.13,95.25 23.62,94.74 23.62,84.84 23.11,84.84 23.11,95.25 22.61,95.25 22.61,84.84 22.1,84.84 22.1,95.5 21.59,95.5 21.59,84.84 21.08,84.84 21.08,100.08 20.57,100.08 20.57,84.84 20.07,84.84 20.07,100.08 19.56,100.08 19.56,84.84 19.05,84.84 19.05,100.08 18.54,100.08 18.54,84.84 18.03,84.84 18.03,100.08 17.53,100.08 17.53,84.84 17.02,84.84 17.02,100.08 16.51,100.08 16.51,84.84 16,84.84 16,100.08 15.49,100.08 15.49,84.84 14.99,85.34 14.99,100.08 14.48,100.08 14.48,85.85 ; 8.89,88.14 8.89,100.08 8.38,100.08 8.38,88.39 7.11,88.39 0.51,95 0.25,95 0.25,100.08 0.76,100.08 0.76,94.62 1.27,94.11 1.27,100.08 1.78,100.08 1.78,93.47 2.29,92.96 2.29,100.08 2.79,100.08 2.79,92.33 3.17,91.95 3.3,91.95 3.3,100.08 3.81,100.08 3.81,91.44 4.32,90.93 4.32,100.08 4.83,100.08 4.83,90.42 5.33,89.92 5.33,100.08 5.84,100.08 5.84,89.41 6.35,88.9 6.35,100.08 6.86,100.08 6.86,88.65 ; 13.46,86.87 13.46,100.08 13.97,100.08 13.97,86.36 ; 12.95,87.38 12.95,100.08 12.45,100.08 12.45,87.88 J11.S ; 8.89,53.85 9.4,53.85 ; 10.16,53.72 10.41,53.98 ; 7.37,88.39 7.37,100.08 7.87,100.08 7.87,88.39 ; J11.S 11.94,88.39 11.94,100.08 11.43,100.08 11.43,87.63 ; 9.4,88.14 9.4,100.08 9.91,100.08 9.91,88.27
  Bottom w1.219: JP1.3 JP1.4
  vias: v1(15.58,38.58) v1(23.01,32.34) v1(25.36,29.72) v1(26.85,4.34) v1(27.15,36.33) v1(30.73,72.9) v1(33.02,72.26) v1(36.14,25.69) v1(39.37,65.28) v1(41.91,46.74) v1(48.01,19.56) v1(51.69,22.1) v1(52.2,32.13) v1(53.85,58.8) v1(56.26,65.66) v1(56.64,24.77) v1(58.17,40.01) v1(61.72,42.93) v1(67.31,42.8) v1(72.26,21.34) v1(75.18,74.04) v1(75.44,83.06) v1(75.95,10.67) v1(77.47,52.2) v1(78.36,54.23) v1(80.9,73.28) v1(81.66,10.8) v1(81.92,49.4) v1(82.93,60.96) v1(83.06,66.17) v1(83.44,67.69) v1(84.96,66.17) v1(85.22,67.69) v1(85.98,10.92) v1(86.55,28.77) v1(87.12,80.77) v1(88.44,39.85) v1(90.55,42.8) v1(90.68,11.05) v1(90.81,71.37) v1(91.31,39.63) v1(92.01,28.89) v1(95.25,10.92) v1(95.89,46.99) v1(96.52,82.55) v1(102.49,25.78) v1(111,59.18) v1(117.73,82.93) v2(81.41,86.61) v2(82.68,88.65) v2(83.19,79.5) v2(85.85,73.66) v2(94.36,91.82) v2(96.77,88.9) v2(99.44,84.33) v2(101.73,78.36)
VBUS: length 246.9
  Top w0.152: C74.2 68.73,102.92 69.15,102.49
  Top w0.203: 64.84,32.61 64.42,32.61
  Top w0.305: 69.47,105.41 69.47,104.39 69.85,104.01 69.85,103.45 69.98,103.32 ; J18.1 52.42,4.73 v2(51.43,5.72) 51.43,7.22 52.47,8.26 53.07,8.26 53.72,8.9 53.72,9.36
  Top w0.61: v2(69,101.78) 69,102.34 69.98,103.32 ; 53.72,9.36 v2(53.72,11.68) ; 70.99,37.59 70.8,37.41
  Top w1.219: v1(63.12,31.18) 64.2,32.26 67.38,32.26 ; 72.5,39.48 72.5,37.59 70.99,37.59 ; 67.5,32.07 68.71,33.27 70.93,33.27 71.1,33.44 L1.1 ; 70.8,37.41 70.8,33.97
  In2.Cu w0.61: v2(69,101.78) 69.91,100.87 69.91,96.58 72.59,93.9 95.6,93.9 110.79,78.72 112.9,78.72 115.28,76.35 115.28,18.14 112.2,15.06 71.7,15.06 71.5,14.86 56.9,14.86 v2(53.72,11.68)
  Bottom w0.152: 63.12,25.4 63.12,26.28 T_VBUS1.1
  Bottom w0.61: 51.43,11.68 63.12,23.37 v1(63.12,31.18) ; 51.43,11.68 v2(51.43,5.72) ; 51.43,11.68 v2(53.72,11.68)
VDDA: length 202.6
  Top w0.13: v2(21.72,65.66) 21.76,65.7 C41.2
  Top w0.305: U4.22 72.93,86.77 73.57,87.41 ; 88.62,64.9 87.66,65.86 U6.26 ; U6.31 87.56,68.36 88.01,68.81 ; 21.84,65.79 21.4,65.34 U8.8
  Top w0.457: v1(21.42,29.37) 20.79,28.74 C1.2 20.11,28.75 20.11,30.57 U9.8 ; U1.8 21.36,43.31 C40.2 ; v1(84.2,50.04) 84.98,49.26 U3.2 88.51,49.26 v1(89.41,50.17) ; 73.57,88.94 73.57,86.58 v1(73.79,86.36) ; v1(89.66,69.09) 89.38,68.81 88.01,68.81 ; U3.2 86.93,55.64 86.93,58 ; v1(89.54,63.88) 89.54,63.98 88.62,64.9
  Top w0.61: v1(24.13,37.72) 23.35,37.72 21.41,39.66 C40.2 ; 21.84,65.79 v2(21.72,65.66)
  Top w1.219: 86.87,49.4 86.87,59.57 v1(86.88,59.58)
  In2.Cu w0.61: v2(21.72,65.66) 23.26,64.12 23.26,38.59 v1(24.13,37.72) 21.95,35.54 21.95,33.58 21.42,33.05 v1(21.42,29.37)
  In2.Cu w1.219: 86.87,50.04 89.28,50.04 v1(89.41,50.17) ; 86.87,50.04 v1(84.2,50.04) 84.2,49.91 82.55,48.26 57.15,48.26 46.61,37.72 v1(24.13,37.72) ; 86.87,50.04 86.87,59.57 v1(86.88,59.58) 86.88,61.22 v1(89.54,63.88) 89.54,68.96 v1(89.66,69.09) 89.66,75.18 78.49,86.36 v1(73.79,86.36)
